# Altium PCB AMC_Box_Mainboard.PcbDoc (part 4 of 8) (continued)
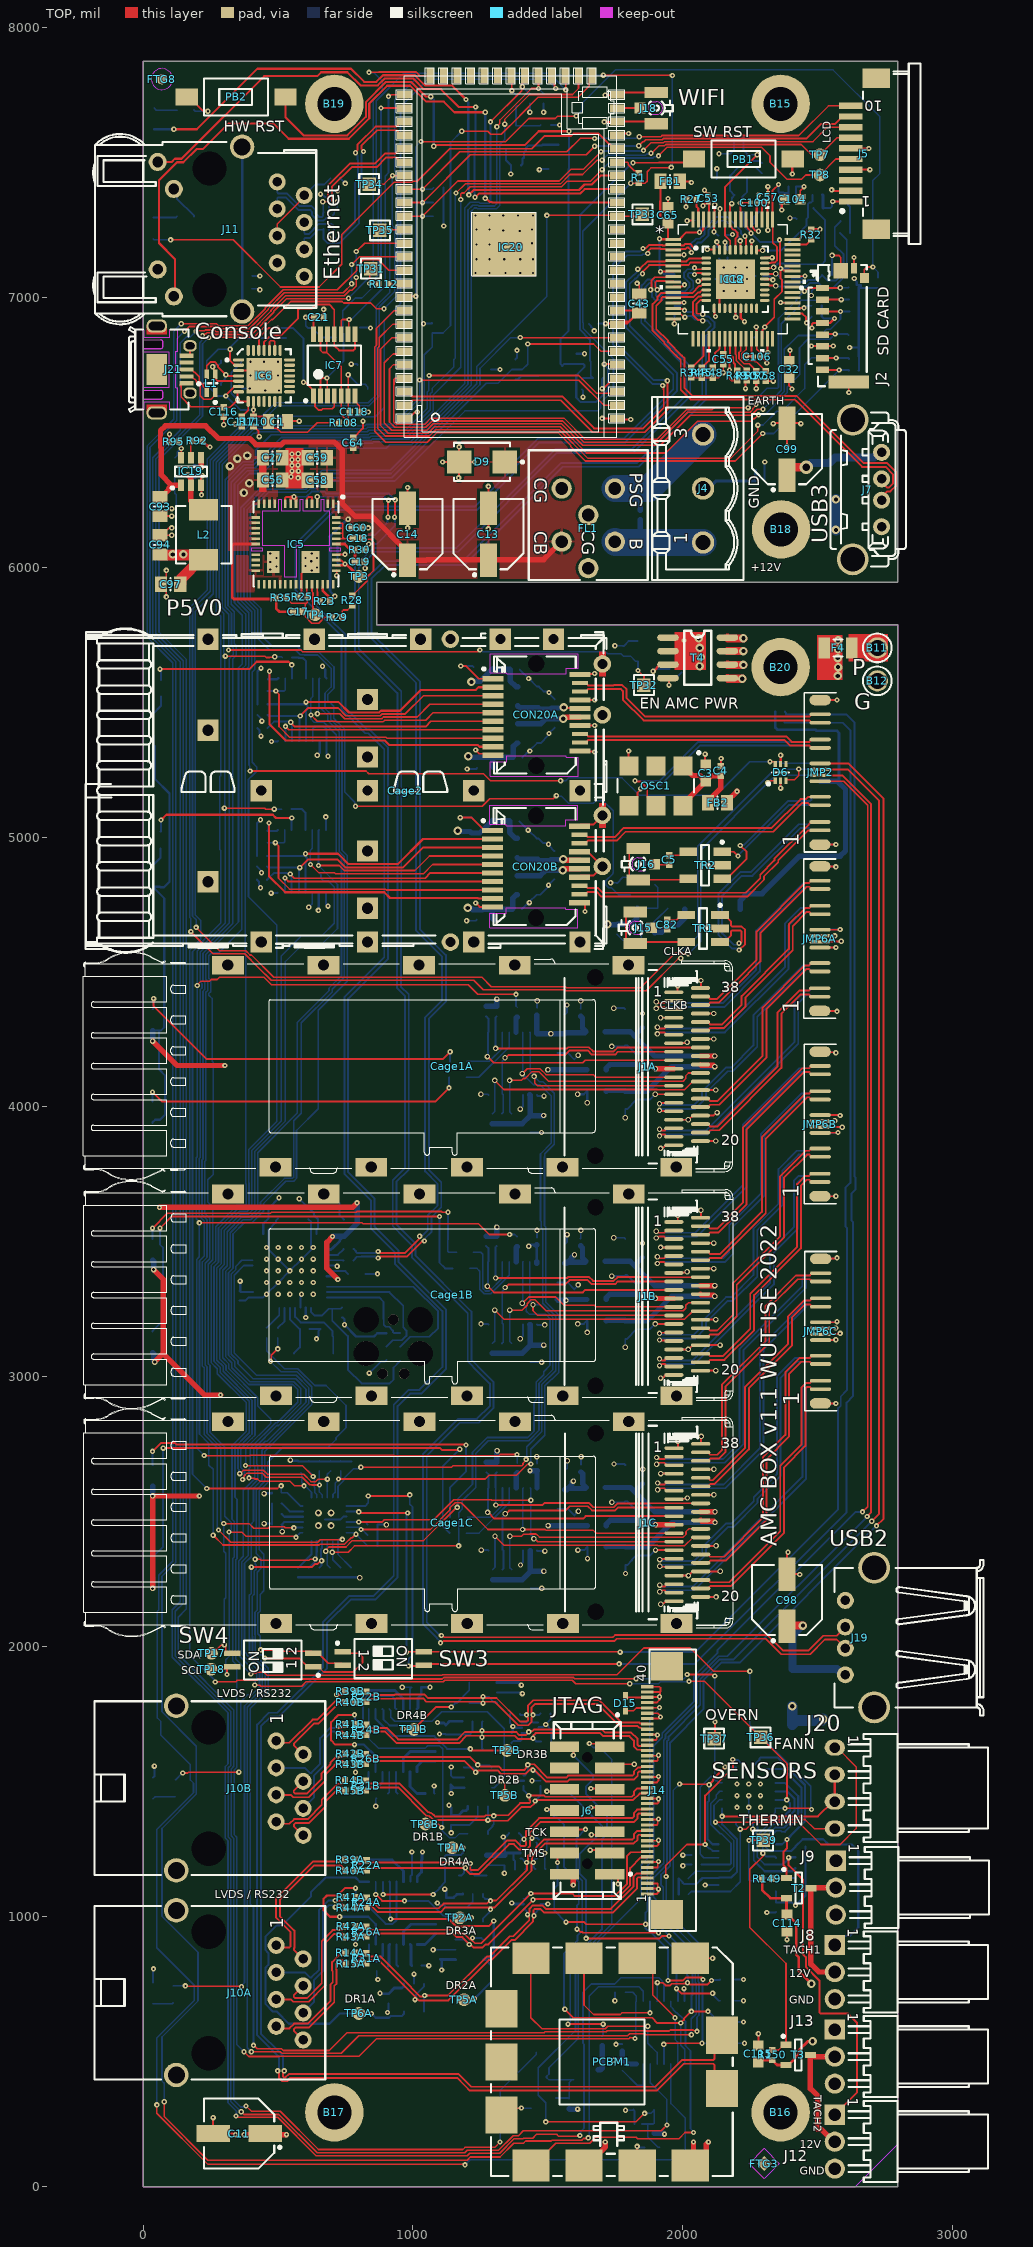
[diagram p0: TOP view]
## Nets (pads, with @x,y where several pads share a name; then routed paths per layer and width w, separated by ;. In a path a pad name is that pad's centre, name@x,y a point inside that pad or via, vN(x,y) a via of type N, cw(c..) or ccw(c..) an arc to the next point about the centre after c; other vN are vias at no path point) (continued)
  other v1: 624.97,5987.29 471.43,5991.22 644.66,5999.1 495.05,6003.03 602.36,6003.94 471.43,6018.78 623.5,6021.74 495.05,6034.53 601.35,6034.53 644.66,6034.53 471.43,6050.28 624.97,6050.28 552.05,6355.59 575.67,6355.59 574,6378 552,6398 574,6399 452.76,6654.53 503.94,6654.53 397.64,6709.65 448.82,6709.65 500,6709.65 397.64,6760.83 448.82,6760.83 500,6760.83 1232.21,7089.55 1283.39,7089.55 1342.45,7089.55 1397.57,7089.55 1444.81,7089.55 1236.15,7140.73 1283.39,7140.73 1338.51,7140.73 1397.57,7140.73 1444.81,7140.73 1334.5,7194.39 1236.15,7195.84 1283.39,7195.84 1393.63,7195.84 1440.87,7199.78 1395.72,7245.59 1334.57,7247.03 1236.15,7250.96 1283.39,7250.96 1440.87,7250.96 1232.21,7302.14 1283.39,7302.14 1334.57,7302.14 1389.69,7302.14 1444.81,7302.14
  other v3: 2200.79,1405.51 2287.4,1405.51 2200.79,1448.82 2287.4,1448.82 2200.79,1492.13 2244.09,1492.13 2287.4,1492.13 500.69,3306.39 544,3306.39 630.61,3306.39 457.39,3349.69 544,3349.69 587.31,3349.69 630.61,3349.69 457.39,3393 500.69,3393 587.31,3393 630.61,3393 457.39,3436.31 544,3436.31 630.61,3436.31 457.39,3479.61 500.69,3479.61 544,3479.61 587.31,3479.61 630.61,3479.61 2238.19,7023.62 2194.88,7110.24 2238.19,7110.24
  other v5: 649.61,2448.82 696.85,2448.82 649.61,2496.06 696.85,2496.06
GND_ETH: C24.1 J11.9 J11.10 R33.1 | length 610.4
  BTM w10: J11.10@367.24,6946.97 367.49,6947.22 367.49,7078.44 R33.1@367.75,7078.69 367.49,7078.94 367.49,7556.72 J11.9@367.24,7556.97
HW_RST: D5.1 IC20.RST PB2.1 R11.2 T9.1 | length 2888.9
  TOP w8: PB2.1@527.69,7741.82 527.69,7666.31 594.46,7599.54 757.12,7599.54 825.65,7668.08 825.65,7722.82 899.84,7797 994.23,7797 1048.23,7743 v1@1065.55,7743 ; v1(1077,7559) 1081.28,7563.28 1414.06,7563.28 1465.79,7615 v1(1578,7615) ; v1(1708.66,6751.97) 1756.93,6751.97 IC20.RST@1758.5,6750.39
  BTM w8: v1(1066,7743) 1077,7732 v1(1077,7559) ; v1(1578,7615) 1578,7475.64 T9.1@1576.77,7474.41 1576.77,6875.98 1547.24,6846.46 1547.24,6751.97 D5.1@1553.15,6746.06 1560.24,6753.15 R11.2@1606.3,6753.15 1606.89,6752.56 1630.5,6752.56 1635.19,6747.87 1635.19,6740.84 1605.06,6710.7 1605.06,6628.53 1622.23,6611.35 1677.11,6611.35 1723.68,6657.93 1723.68,6736.1 1708.66,6751.13 v1(1708.66,6751.97)
I2C_CONV_LED0: IC21.29 R72.1 | length 3333.2
  TOP w6: v1(156.98,744) 158.48,742.5 363.25,742.5 v1(364.75,741)
  BTM w6: R72.1@112,744.5 112.5,744 v1(156.98,744) ; v1(364.75,741) 364.75,744.7 376,755.96 376,1781 442.15,1847.15 442.15,1912.18 384,1970.33 384,1974.77 376,1982.77 376,2309.51 400.49,2334 400.49,2455.83 409.45,2464.79 409.45,2587.7 440.82,2619.07 440.82,2728.22 614.72,2902.12 614.72,2959.28 567.36,3006.64 420.36,3006.64 338.07,3088.93 338.07,3377.07 373.68,3412.69 IC21.29@407.19,3412.69
I2C_CONV_LED1: IC21.30 R76.1 | length 2582
  TOP w6: v1(147.43,1532.38) 147.55,1532.5 166.28,1532.5 169.28,1535.5 354.5,1535.5 v1(355,1536)
  BTM w6: R76.1@119,1507.5 120.97,1507.5 145.85,1532.38 v1(147.43,1532.38) ; v1(355,1536) 355,1539.7 362,1546.7 362,1797 387,1822 401.83,1822 431.43,1851.6 431.43,1876.61 431.43,1907.74 365.28,1973.89 365.28,2313.95 389.76,2338.44 389.76,2583.18 425.2,2618.62 425.2,2672.91 421,2677.11 421,2729.89 453.05,2761.95 459.38,2761.95 604,2906.57 604,2954.83 565.64,2993.19 407.81,2993.19 352,3049 352,3059.83 327.35,3084.49 327.35,3381.51 344.2,3398.36 344.2,3410.2 366.37,3432.37 IC21.30@407.19,3432.37
I2C_RESETN: IC16.24 IC20.36 R197.1 | length 5975.3
  TOP w6: v1(236.22,2586.61) 498.3,2586.61 508.11,2596.43 v1(511.81,2596.43) ; v1(1025,6693) 1052.16,6693 1052.72,6692.43 1614.57,6692.43 1706.61,6600.39 IC20.36@1758.5,6600.39
  BTM w6: v1(236.22,2586.61) 183.22,2639.61 183.22,4575.59 225.14,4617.51 225.14,4618.84 288.24,4681.94 288.24,4950.3 283.76,4954.77 283.76,5223.14 288.24,5227.61 288.24,5474.07 287.48,5474.83 287.48,5677.48 288.24,5678.24 288.24,5817.88 271.56,5834.56 271.56,6388.51 405.65,6522.6 493.43,6522.6 494.04,6523.21 822.24,6523.21 827.31,6528.28 927.14,6528.28 1025.44,6626.58 1025.44,6692.56 v1(1025,6693) ; v1(511.81,2596.43) 511.81,2572.83 R197.1@513.78,2570.87 534.59,2570.87 580.96,2524.5 580.96,2523.43 582.73,2521.65 IC16.24@592.52,2521.65
I2CA.SCL: CON20A.5 IC3A.14 IC16.2 R185.1 | length 4376.2
  TOP w6: v1(380.07,2672.02) 380.51,2671.58 589.49,2671.58 v1(630.2,2630.87) ; v1(622.05,5452.12) 645.03,5429.13 712.6,5429.13 715.17,5426.57 889.17,5426.57 895.67,5433.07 1047.24,5433.07 1074.61,5460.43 CON20A.5@1296.26,5460.43
  BTM w6: v1(380.07,2672.02) 380.07,2734.47 472.96,2827.35 472.96,2844.43 425.46,2891.92 425.46,2922.74 318.22,3029.98 318.22,3048.11 295.17,3071.16 295.17,3394.84 312.02,3411.69 312.02,3538.36 366.2,3592.53 395.1,3592.53 424.75,3622.18 424.75,3733.02 424.58,3733.19 424.58,3830.34 570.87,3976.62 570.87,4312.51 689.28,4430.92 689.28,4440.55 735.3,4486.58 735.3,4922.95 715.86,4942.39 715.86,5378.76 669.42,5425.2 633.86,5425.2 622.05,5437.01 v1(622.05,5452.12) 622.05,5460.63 622.05,5513.55 628.94,5520.44 IC3A.14@628.94,5588.58 ; R185.1@614.17,2651.57 627.94,2637.81 627.94,2633.13 v1(630.2,2630.87) ; v1@631.66,2630.87 631.66,2626.21 635.68,2622.19 635.68,2622.05 633.86,2620.23 633.86,2593.03 635.68,2591.21 635.68,2572.53 643.7,2564.51 IC16.2@643.7,2553.15
I2CA.SDA: CON20A.4 IC3A.15 IC16.1 R184.1 | length 4536.5
  TOP w6: v1(392.76,2626.19) 393.91,2625.05 411.6,2625.05 414.61,2622.05 424.55,2622.05 432.42,2614.17 543.31,2614.17 560.87,2596.61 v1(596.79,2596.61) ; v1(646.02,5456.69) 728.57,5456.69 747.03,5438.23 884.34,5438.23 890.84,5444.73 1015.6,5444.73 1062.8,5491.93 CON20A.4@1296.26,5491.93
  BTM w6: v1(392.76,2626.19) 392.76,2659.87 397.64,2664.75 397.64,2736.87 491.51,2830.74 497.84,2830.74 573.04,2905.94 573.04,2953.2 554.5,2971.74 391.63,2971.74 328.94,3034.42 328.94,3052.56 305.9,3075.6 305.9,3390.4 322.75,3407.25 322.75,3533.91 370.64,3581.81 399.54,3581.81 435.48,3617.74 435.48,3646.64 524.18,3735.35 553.61,3735.35 558.14,3739.87 558.14,3948.73 586.61,3977.21 586.61,4311.77 700.94,4426.09 700.94,4435.72 746.03,4480.81 746.03,4927.39 726.58,4946.83 726.58,5389.48 685.04,5431.02 685.04,5450.71 657.13,5478.63 654.48,5478.63 652.87,5480.24 ; R184.1@584.08,2645.67 587.6,2642.15 587.6,2610.1 ; 587.6,2609.5 596.79,2600.31 v1(596.79,2596.61) ; v1@598.64,2598.46 624.02,2573.08 IC16.1@624.02,2553.15 ; v1(646.02,5456.69) 648.64,5459.31 648.64,5475.11 652.07,5478.54 652.07,5586.12 IC3A.15@654.53,5588.58
I2CB.SCL: CON20B.5 IC3B.14 IC16.4 R187.1 | length 3910
  TOP w6: v1(358.2,2641.83) 359.59,2641.83 372.22,2654.45 381.02,2654.45 ; 381.04,2654.48 445.89,2654.48 460.91,2639.46 595.43,2639.46 622.53,2612.36 635.66,2612.36 640.23,2612.36 649.12,2621.26 v1(683.07,2621.26) ; v1(620.28,4898.66) 651.77,4867.17 710.83,4867.17 713.39,4864.6 1038.97,4864.6 1072.83,4898.46 CON20B.5@1294.49,4898.46
  BTM w6: v1(358.2,2641.83) 355.65,2644.38 355.65,2655.99 351.78,2659.86 351.78,2736.51 393.38,2778.11 404.01,2788.74 404.01,2913.85 296.77,3021.1 296.77,3039.23 273.72,3062.28 273.72,3403.72 290.57,3420.57 290.57,3547.24 357.31,3613.98 386.22,3613.98 403.31,3631.07 403.31,3724.13 403.13,3724.31 403.13,3839.22 511.81,3947.9 511.81,4559.06 586.61,4633.86 661.42,4633.86 708.66,4681.1 708.66,4814.65 685.85,4837.46 669.66,4837.46 659.65,4847.48 659.65,4859.29 v1(620.28,4898.66) 620.28,4951.59 627.17,4958.48 IC3B.14@627.17,5026.61 ; IC16.4@683.07,2553.15 v1(683.07,2621.26) 683.07,2639.76 R187.1@694.88,2651.57
I2CB.SDA: CON20B.4 IC3B.15 IC16.3 R186.1 | length 3853.2
  TOP w6: v1(369.15,2620.01) 369.15,2623.72 375.2,2629.77 375.2,2633.47 385.49,2643.76 441.45,2643.76 456.47,2628.74 589.5,2628.74 617.54,2600.7 624,2600.7 625.19,2599.51 v1(653.54,2599.51) ; v1(650.38,4894.72) 726.79,4894.72 745.26,4876.26 1007.32,4876.26 1061.02,4929.96 CON20B.4@1294.49,4929.96
  BTM w6: v1(369.15,2620.01) 369.15,2623.72 375.11,2629.68 375.11,2633.9 375.83,2634.62 375.83,2650.97 362.5,2664.3 362.5,2732.06 404.1,2773.66 414.74,2784.3 414.74,2918.3 307.5,3025.54 307.5,3043.67 284.45,3066.72 284.45,3399.28 301.3,3416.13 301.3,3542.8 361.75,3603.25 390.66,3603.25 414.03,3626.63 414.03,3728.57 413.85,3728.75 413.85,3834.78 527.56,3948.48 527.56,4539.37 590.55,4602.36 661.42,4602.36 720.47,4661.42 720.47,4824.63 v1(650.38,4894.72) 650.3,4894.81 650.3,5024.15 IC3B.15@652.76,5026.61 ; R186.1@653.54,2651.57 v1(653.54,2599.51) 653.54,2573.82 663.39,2563.98 IC16.3@663.39,2553.15
I2CC.SCL: IC14A.14 IC16.6 J1A.11 R189.1 | length 3098.4
  TOP w6: v1(807.09,2665.35) 1142.94,2665.35 1148.7,2671.11 1403.39,2671.11 1407.88,2675.6 1407.88,2679.84 1419.44,2691.4 v1(1419.44,2694.52) ; v2(1405.14,4123.53) 1423.46,4141.85 1470.82,4141.85 1492.64,4120.03 1667.79,4120.03 1677.82,4110 J1A.11@1966.4,4110
  BTM w6: IC16.6@722.44,2553.15 722.44,2595.24 742.64,2615.44 742.64,2622.56 780.46,2660.39 798.41,2660.39 803.38,2665.35 v1(807.09,2665.35) ; IC14A.14@1407.54,4277.33 1406.53,4276.31 1406.53,4124.92 v2(1405.14,4123.53) 1446.38,4082.29 1470.78,4082.29 1511.81,4041.26 1511.81,3865.56 1472.44,3826.19 1472.44,3578.74 1475.42,3575.76 1475.42,3552.39 1481.4,3546.41 1481.4,3272.76 1529.32,3224.84 1529.32,3023.25 1477.73,2971.66 1477.73,2965.58 1477.73,2904.09 1477.73,2797.79 1421.26,2741.32 1421.26,2696.34 v1(1419.44,2694.52)
I2CC.SDA: IC14A.15 IC16.5 J1A.12 R188.1 | length 3107.3
  TOP w6: v1(724.41,2622.05) 1267.72,2622.05 1281.65,2635.98 1384.01,2635.98 1425.2,2677.17 v1(1437.01,2677.17) ; v2(1448.82,4113.37) 1451.51,4110.67 1451.51,4088.83 1461.84,4078.51 J1A.12@1966.4,4078.51
  BTM w6: IC16.5@702.76,2553.15 704.01,2554.4 704.01,2565.23 711.72,2572.94 711.72,2606.8 v1@725.68,2620.77 ; v1@732.28,2627.37 R188.1@732.28,2651.57 ; IC14A.15@1433.13,4277.33 1435.07,4275.39 1435.07,4130.79 1448.82,4117.04 v2(1448.82,4113.37) 1469.17,4093.02 1481.78,4093.02 1523.62,4051.18 1523.62,3862.2 1488.19,3826.77 1488.19,3815.79 1487.57,3815.17 1487.57,3560.24 1492.13,3555.69 1492.13,3277.2 1540.05,3229.28 1540.05,3016.43 1515.44,2991.82 1513.06,2991.82 1488.46,2967.22 1488.46,2899.65 1488.46,2783.73 1437.01,2732.28 v1(1437.01,2677.17)
I2CD.SCL: IC16.8 JMP4.3 R191.1 SW3.4 | length 5730.2
  TOP w7: v1(799.21,2500) 803.15,2496.06 v1(980.32,2496.06) ; v1(976.38,1980.32) 977.76,1981.69 SW3.4@1039.37,1981.69 1766.34,1981.69 v1(1767.72,1980.32)
  BTM w7: IC16.8@753.94,2501.97 v1@799.21,2501.97 ; v1(976.38,1980.32) 976.38,2492.13 v1(980.32,2496.06) ; v1(1767.72,1980.32) 2045.24,1980.32 2575.2,2510.28 2575.2,2884.29 2585,2894.09 2585,2927.52 2607.93,2950.45 2607.93,3552.81 2602.36,3558.38 2602.36,3700.79 2620.59,3719.01 2620.59,5395.16 2592.13,5423.62 JMP4.3@2507.01,5423.62 2377.56,5423.62 R191.1@2375.98,5425.2
I2CD.SDA: IC16.7 JMP4.2 R190.1 SW3.3 | length 5991.6
  TOP w7: v1(834.65,2559.06) 984.25,2559.06 v1(988.19,2562.99) ; v1(984.25,1929.13) 1036.81,1929.13 SW3.3@1039.37,1931.69 1044.69,1937.01 v1(1763.78,1937.01)
  BTM w7: IC16.7@753.94,2521.65 822.83,2521.65 834.65,2533.46 v1(834.65,2559.06) ; v1(984.25,1929.13) 984.25,1955.09 998.38,1969.22 998.38,2518.97 988.19,2529.17 v1(988.19,2562.99) ; v1(1763.78,1937.01) 2043.99,1937.01 2606.3,2499.32 2606.3,2904.83 2629.92,2928.46 2629.92,3574.8 2624.36,3580.37 2624.36,3678.79 2640.1,3694.54 2640.1,3738.53 2636.17,3742.47 2636.17,5423.57 2605.01,5454.72 JMP4.2@2507.01,5454.72 2382.05,5454.72 2382.05,5460.47 R190.1@2377.95,5464.57
I2CE.SCL: IC14C.14 IC16.11 J1C.11 R199.1 | length 1490.1
  TOP w6: v1(807.6,2434.92) 1064.84,2434.92 1137.44,2507.52 1137.44,2514.98 1156.78,2534.32 1178.28,2534.32 1181.08,2531.51 1277.81,2434.79 v2(1406.06,2434.79) 1490.06,2434.79 1493.57,2431.29 1668.71,2431.29 1678.74,2421.26 J1C.11@1967.33,2421.26
  BTM w6: IC16.11@753.94,2442.91 v1@803.15,2442.91 ; v1(807.6,2434.92) 811.15,2434.92 R199.1@832.68,2413.39 ; v2(1406.06,2434.79) 1407.45,2436.18 1407.45,2587.57 IC14C.14@1408.46,2588.58
I2CE.SDA: IC14C.15 IC16.10 J1C.12 R198.1 | length 1473
  TOP w6: v1(799.21,2462.6) 886.37,2462.6 894.22,2470.44 1076.74,2470.44 1151.34,2545.04 1290.15,2545.04 1291.88,2543.31 v1(1437.01,2543.31) ; v2(1448.33,2400.38) 1452.14,2400.38 1462.76,2389.76 J1C.12@1967.33,2389.76
  BTM w6: IC16.10@753.94,2462.6 v1(799.21,2462.6) 822.83,2462.6 R198.1@832.68,2452.76 ; IC14C.15@1434.06,2588.58 1435.99,2586.64 1435.99,2414.97 1448.33,2402.64 v2(1448.33,2400.38)
I2CF.SCL: IC16.13 J5.5 R201.1 TP8.1 | length 7941.6
  TOP w6: v1(279.53,2433.07) 324.65,2387.94 647.88,2387.94 656.66,2396.73 736.96,2396.73 v1(738.61,2398.37) ; v1(1177.17,7362.2) 1177.17,7382.31 1180.68,7385.83 1188.98,7385.83 1212.18,7409.03 1550.76,7409.03 1570.87,7429.13 1657.48,7429.13 v1(1700.79,7472.44) ; v1(1909.45,7523.62) 1940.94,7555.12 2291.34,7555.12 2322.83,7523.62 2322.83,7500 2385.83,7437.01 2439.3,7437.01 2455.05,7452.76 TP8.1@2507.87,7452.76 2566.93,7511.81 J5.5@2622.05,7511.81
  BTM w6: v1(279.53,2433.07) 275.59,2437.01 275.59,2737.38 226.58,2786.39 226.58,3033.59 220.1,3040.07 220.1,3425.93 236.95,3442.78 236.95,3582.58 218.71,3600.83 218.71,3803.59 222.24,3807.12 222.24,4405.24 222.24,4429.41 229.08,4436.25 229.08,4461.64 222.24,4468.49 222.24,4569.1 331.8,4678.66 331.8,5658.57 344.82,5671.59 344.82,5704.63 342.52,5706.93 342.52,5712.6 338.58,5716.54 338.58,5834.29 314.96,5857.91 314.96,6318.9 375.25,6379.19 410.68,6379.19 511.81,6480.32 840.01,6480.32 845.07,6485.38 981.56,6485.38 1074.8,6578.63 1074.8,6637.8 1177.17,6740.16 v1(1177.17,7362.2) ; v1(738.61,2398.37) 724.22,2398.37 722.44,2396.6 722.44,2342.52 R201.1@771.65,2293.31 ; v1(1700.79,7472.44) 1724.41,7496.06 1736.22,7496.06 1755.91,7515.75 1889.17,7515.75 1894.42,7521 1906.83,7521 v1(1909.45,7523.62)
I2CF.SDA: IC16.12 J5.7 R200.1 TP7.1 | length 7983.1
  TOP w6: v1(259.84,2413.39) 296.01,2377.22 652.32,2377.22 655.91,2380.8 747.53,2380.8 771.15,2404.43 775.62,2404.43 788.52,2417.32 v1(789.37,2417.32) ; v1(1159.6,7385.83) 1193.53,7419.76 1546.32,7419.76 1581.29,7454.72 1628.53,7454.72 1681.68,7507.87 v1(1700.79,7507.87) ; v1(1881.89,7533.31) 1883.71,7533.31 1911.71,7561.32 1931.98,7561.32 1936.5,7565.84 2438.42,7565.84 2475.25,7529.01 2506.42,7529.01 TP7.1@2507.87,7527.56 2570.87,7590.55 J5.7@2622.05,7590.55
  BTM w6: v1(259.84,2413.39) 259.84,2657.48 244.09,2673.23 244.09,2753.71 209.38,2788.43 209.38,3430.38 226.23,3447.23 226.23,3578.14 207.98,3596.39 207.98,3808.04 211.51,3811.56 211.51,4400.8 211.51,4433.85 218.35,4440.69 218.35,4457.2 211.51,4464.04 211.51,4573.55 318.9,4680.93 318.9,5659.22 321.07,5661.39 321.07,5663.01 334.09,5676.03 334.09,5700.19 327.86,5706.43 327.86,5829.85 304.24,5853.47 304.24,6323.34 370.81,6389.91 405.66,6389.91 417.32,6401.57 417.32,6433.07 474.68,6490.43 506.75,6490.43 507.37,6491.04 835.56,6491.04 840.63,6496.11 977.12,6496.11 1064.08,6583.07 1064.08,6642.24 1070.87,6649.02 1070.87,6661.42 1150.69,6741.24 1150.69,6768.29 1157.48,6775.08 1157.48,7383.71 v1(1159.6,7385.83) ; IC16.12@753.94,2423.23 783.46,2423.23 v1(789.37,2417.32) R200.1@832.68,2374.02 ; v1(1700.79,7507.87) 1719.39,7526.47 1861.61,7526.47 1865.83,7530.7 1879.27,7530.7 v1(1881.89,7533.31)
I2CG.SCL: IC14B.14 IC16.15 J1B.11 R203.1 | length 2464.1
  TOP w6: v1(677.17,2354.33) 677.17,2358.27 688.98,2370.08 751.97,2370.08 775.59,2393.7 1039.37,2393.7 1162.42,2516.75 v1(1164.05,2516.75) ; v2(1405.26,3272.82) 1428.64,3296.2 1529.07,3296.2 1559.57,3265.7 1671.52,3265.7 1677.93,3259.29 J1B.11@1966.52,3259.29
  BTM w6: IC16.15@683.07,2391.73 683.07,2303.15 R203.1@692.91,2293.31 ; v1(1164.05,2516.75) 1165.35,2518.05 1165.35,2547.24 1220.47,2602.36 1220.47,2720.47 1275.59,2775.59 1425.2,2775.59 1448.61,2799.01 1448.61,2905.72 1456.28,2913.39 1456.28,2980.54 1484.25,3008.51 1484.25,3019.69 1507.87,3043.31 1507.87,3215.95 1494.68,3229.15 1492.24,3231.58 1431.6,3231.58 1419.78,3243.41 1419.78,3258.3 v2(1405.26,3272.82) 1406.64,3274.21 1406.64,3425.6 IC14B.14@1407.66,3426.62
I2CG.SDA: IC14B.15 IC16.14 J1B.12 R202.1 | length 2476.1
  TOP w6: v1(701.26,2350.39) 759.84,2350.39 783.46,2374.02 v1(1169.29,2374.02) ; v2(1444.88,3267.72) 1444.88,3244.87 1461.95,3227.8 J1B.12@1966.52,3227.8
  BTM w6: v1(701.26,2350.39) 702.76,2348.89 702.76,2322.83 R202.1@732.28,2293.31 ; v1@702.76,2350.39 IC16.14@702.76,2391.73 ; v1(1169.29,2374.02) 1169.29,2497.14 1182.92,2510.77 1182.92,2541.19 1232.28,2590.55 1232.28,2716.54 1279.53,2763.78 1428.55,2763.78 1467.01,2802.23 1467.01,2976.1 1518.6,3027.69 1518.6,3220.4 1471.28,3267.72 v2(1444.88,3267.72) 1444.88,3271.38 1433.25,3283.01 IC14B.15@1433.25,3426.62